# Altium PCB 无线遥控器_PCB.PcbDoc (continued)
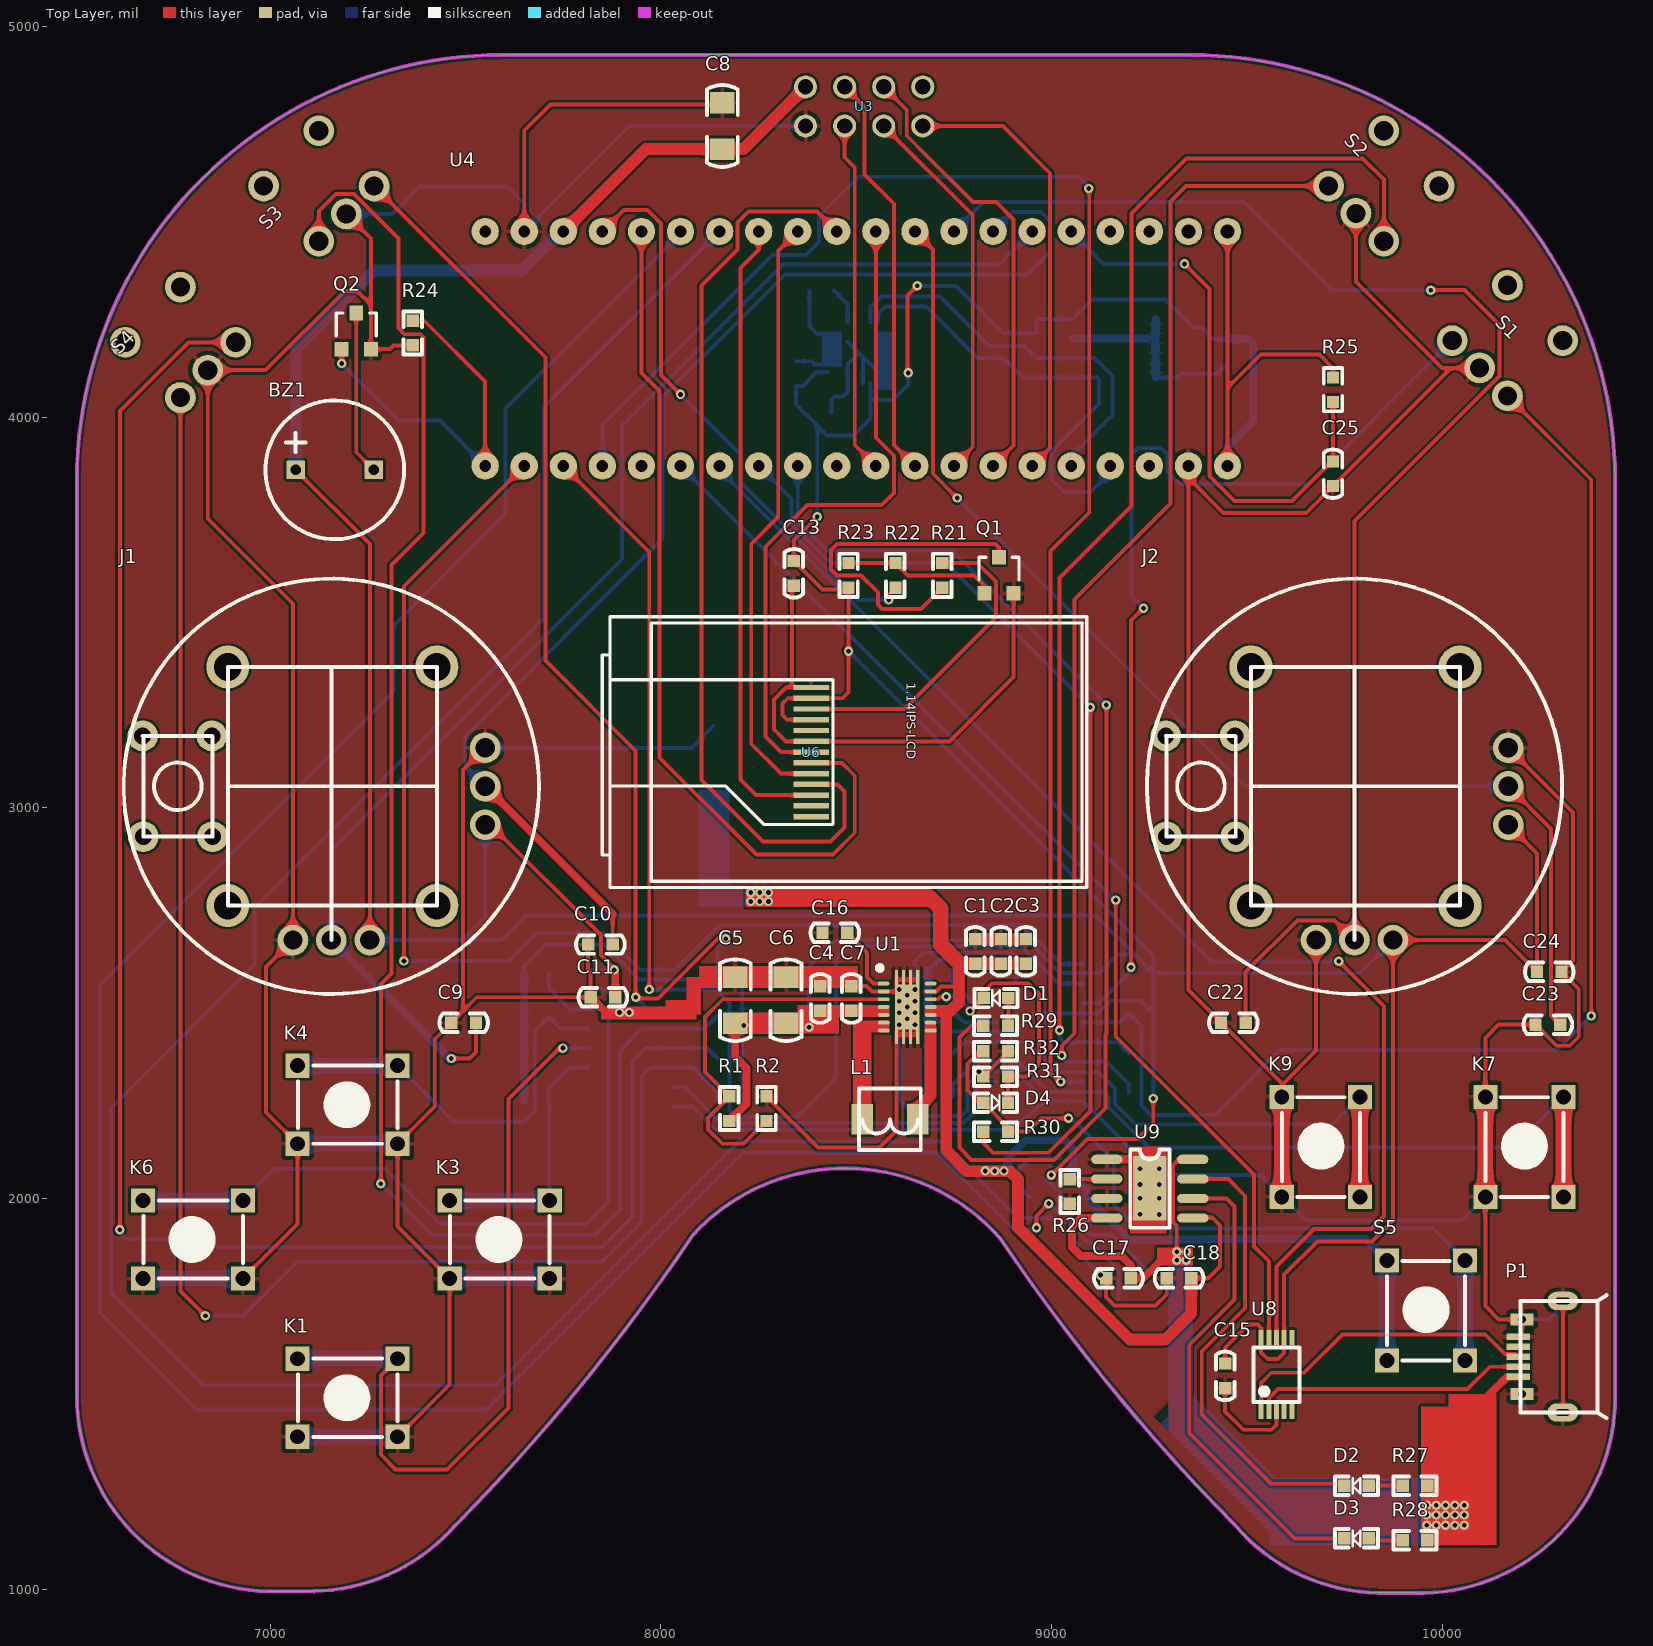
[diagram p0: Top Layer view]
## Footprints (in the part's own frame and the unit in brackets; to place one, negate y for a bottom-side part, rotate by r counter-clockwise, add the part's x,y. Pads: shape width x height; smd on the part's side, far side on the other; paste and mask are expansions set on the pad) (continued)
KEY_M [mil]
  rect 62x62 hole 38: 1(0,0) 1(255.91,0) 2(0,-200) 2(255.91,-200)
  silkscreen extent 0,-200 255,0, body extent -27,-220 277,17, height 157
LED_0603 [mm]
  rect 0.8x0.8 smd paste-0.1: A(-0.8,0) K(0.8,0)
  silkscreen extent -1.4,-0.6 1.4,0.6, body extent -0.8,-0.4 0.82,0.4, height 0.6
NRF24L01_connect [mm]
  round 1.5 hole 1: 1(-1.168,3.861) 2(1.372,3.861) 3(-1.168,1.321) 4(1.372,1.321) 5(-1.168,-1.219) 6(1.372,-1.219) 7(-1.168,-3.759) 8(1.372,-3.759)
  body extent -3.88,-7.14 25.12,7.86, height 3.8
Pad_B [mm]
  round 2 smd: 1(0,0)
SOP8 [mil]
  rect 61x24 smd: 1(0,0)
  oval 61x24 smd: 2(0,-50) 3(0,-100) 4(0,-150) 5(212.6,-150) 6(212.6,-100) 7(212.6,-50) 8(212.6,0)
  silkscreen extent 59,-175 153,25
SOP-8_PAD [mil]
  oval 80x24 smd: 1(-110,74) 2(-110,24) 3(-110,-26) 4(-110,-76) 5(110,-76) 6(110,-26) 7(110,24) 8(110,74)
  rrect10% 86.61x165.35 smd: 3(0,0)
  silkscreen extent -50,-101 50,99, body extent -118,-99 120,99, height 63
STM32_DIP [mil]
  round 70 hole 35: 1(600,-1900) 2(600,-1800)
  round 70 hole 30: 3(600,-1700) 4(600,-1600) 7(600,-1500) 10(600,-1400) 11(600,-1300) 12(600,-1200) 13(600,-1100) 14(600,-1000) 15(600,-900) 16(600,-800) 17(600,-700) 18(600,-600) 19(600,-500) 20(600,-400) 21(600,-300) 22(600,-200) 23(600,-100) 24(600,0) 25(0,0) 26(0,-100) 27(0,-200) 28(0,-300) 29(0,-400) 30(0,-500) 31(0,-600) 32(0,-700) 33(0,-800) 38(0,-900) 39(0,-1000) 40(0,-1100) 41(0,-1200) 42(0,-1300) 43(0,-1400) 45(0,-1500) 46(0,-1600) 47(0,-1700) 48(0,-1800) 49(0,-1900)
  body extent -157,-1994 733,92, height 450
TPS63020 [mil] "High Efficiency Single Inductor Buck-Boost Converter With 4-A Switches"
  oval 10x30 smd: 1(-60,-60) 2(-40,-60) 3(-20,-60) 4(0,-60) 5(20,-60) 6(40,-60) 7(60,-60) 8(60,60) 9(40,60) 10(20,60) 11(0,60) 12(-20,60) 13(-40,60) 14(-60,60)
  rect 50x7.87 smd: 15(-70,-27.17) 15(-70,-9.06) 15(-70,9.06) 15(-70,27.17) 15(70,-27.17) 15(70,-9.06) 15(70,9.06) 15(70,27.17)
  round 11.81 hole 11.81: 15(-45,20) 15(-45,-20) 15(-30,0) 15(-15,20) 15(-15,-20) 15(0,0) 15(15,20) 15(15,-20) 15(30,0) 15(45,20) 15(45,-20)
  rect 115x62.2 smd: 15(0,0)
  silkscreen extent -105,-75 -95,-65, body extent -85,-65 85,65, height 30
WSON-8 [mm]
  rect 0.5x0.25 smd: 1(0,1.5) 2(0,1) 3(0,0.5) 4(0,0) 5(1.9,0) 6(1.9,0.5) 7(1.9,1) 8(1.9,1.5)
  rect 0.9x1.6 smd mask+0.102: 9(0.95,0.75)
  silkscreen extent -0.64,-0.51 2.54,2.03
三极管_SOT-23 [mm]
  rect 0.9x0.95 smd: 1(-0.95,-1.175) 2(0,1.175) 3(0.95,-1.175)
  silkscreen extent -1.3,-0.3 1.3,1.18, body extent -1.45,-1.4 1.45,1.4, height 1.2
三段开关 [mm]
  round 2 hole 1.25: 0(-2.54,0) 1(-0.024,0) 2(2.54,0) ""(-2.54,5.08) ""(2.54,5.08)
串口_MSOP10 [mm]
  rect 0.32x1 smd: 1(0,0) 2(0.5,0) 3(1,0) 4(1.5,0) 5(2,0) 6(2,4.8) 7(1.5,4.8) 8(1,4.8) 9(0.5,4.8) 10(0,4.8)
  silkscreen extent -0.5,0.62 2.5,4.15
变压器电感_0420 [mm]
  rect 2x1.4 smd: 1(0,-1.8) 2(0,1.8)
  silkscreen extent -2,-2 2,2
"接插件_MICRO 牛角插座 USB 卷边" [mm]
  oval 1.2x2 hole 0.4 slot 1 at 90 deg: 0(-3.625,2.75) 0(3.625,2.75)
  rect 0.8x1.5 hole 0.5: 0(-2.425,0.1) 0(2.425,0.1)
  rect 0.4x1.5 smd: 1(1.3,-0.15) 2(0.65,-0.15) 3(0,-0.15) 4(-0.65,-0.15) 5(-1.3,-0.15)
  silkscreen extent -4,0 4,5.6, body extent -3.99,-0.18 3.99,5.25, height 2.73
摇杆2 [mm]
  round 2.8 hole 1.8: 0(-2.413,-9.398) 0(-2.413,6.102) 0(11.176,-9.398) 0(11.176,6.102)
  round 2 hole 1.25: 1(14.318,0.849) 2(14.318,-1.651) 3(14.318,-4.151) 4(6.818,-11.651) 5(4.318,-11.651) 6(1.818,-11.651)
  round 2 hole 1.1: J1(-7.95,1.626) J1(-7.904,-4.925) J2(-3.45,1.626) J2(-3.404,-4.925)
  silkscreen extent -9.18,-15.15 17.82,11.85, body extent -9.49,-15.07 18.16,12.03, height 30.58
电容_C0603 [mm]
  rect 0.8x0.8 smd: 1(-0.8,0) 2(0.8,0)
  silkscreen extent -1.58,-0.6 1.58,0.6, body extent -0.8,-0.4 0.8,0.4, height 0.3
电容_C1206 [mm]
  rect 1.4x1.6 smd: 1(-1.5,0) 2(1.5,0)
  silkscreen extent -2.66,-1 2.66,1, body extent -1.6,-0.8 1.6,0.8, height 1
电阻_R0603 [mm]
  rect 0.8x0.8 smd: 1(-0.8,0) 2(0.8,0)
  silkscreen extent -1.4,-0.6 1.4,0.6, body extent -0.8,-0.4 0.8,0.4, height 0.45
陀螺仪_QFN24 [mm]
  rect 2.6x2.6 smd: 0(0.005,0)
  rect 0.8x0.3 smd: 1(-2,1.25) 2(-2,0.75) 3(-2,0.25) 4(-2,-0.25) 5(-2,-0.75) 6(-2,-1.25) 13(2,-1.25) 14(2,-0.75) 15(2,-0.25) 16(2,0.25) 17(2,0.75) 18(2,1.25)
  rect 0.3x0.8 smd: 7(-1.25,-2) 8(-0.75,-2) 9(-0.25,-2) 10(0.25,-2) 11(0.75,-2) 12(1.25,-2) 19(1.25,2) 20(0.75,2) 21(0.25,2) 22(-0.25,2) 23(-0.75,2) 24(-1.25,2)
  silkscreen extent -2.33,-2.32 2.33,2.33, body extent -2,-2 2.01,2, height 0.9

## Part data
BAT GND M1 M2: library part Pad, _Comma=,, _Funcyusa=Test, _Name=Pad
  BAT: _Remarks=BAT, _Specification=Pad,Test,BAT
  GND: _Remarks=GND, _Specification=Pad,Test,GND
  M1: _Remarks=M1-OUT1, _Specification=Pad,Test,M1-OUT1
  M2: _Remarks=M1-OUT2, _Specification=Pad,Test,M1-OUT2
BZ1: library part BZ
C1 C2 C3 C4 C5 C6 C7 C8 C9 C10 C11 C12 C13 C14 C15 C16 C17 C18 C19 C20 C21 C22 C23 C24 C25 C26 C27: library part cap, U=50V, 参数=Cap,0805,X7R,104K,50V,125C,±10%
  C1 C2 C3 C4: C=106
  C5 C6: C=22uf
  C7 C9 C10 C12 C16 C20 C22 C23 C25 C26 C27: C=104
  C8 C14: C=22uF
  C11 C13 C15 C24: C=105
  C17 C18: C=10uf
  C19: C=1uF
  C21: C=2.2nF
D1 D4: library part Diode, "Default Diode", Code_JEDEC=DO-214-AB, LatestRevisionDate=17-Jul-2002, LatestRevisionNote="Re-released for DXP Platform.", PackageDescription="DO-214-AB/SMC; 2 C-Bend Leads; Body 7.9 x 5.9 mm, inc. leads (LxW)", PackageReference=SMC, PackageVersion=Sep-1996, Published=8-Jun-2000, Publisher="Altium Limited"
D2 D3: library part LED, 参数=LED,0603,Red
J1: library part 摇杆, "摇杆"
J2: library part 摇杆_1, "摇杆"
K1 K3 K4 K6 K7 K9: library part SW-PB, _Comma=,, _Model=SKRP, _Name=KEY, _Specification=KEY,SKRP,*
L1: library part "Inductor Iron 2", _Current=10A, _Accuracy=20%, _Comma=,, _Footprint=1040, _Name=IND, _Specification=IND,1040,1.5uH,10A,20%, _Value=1.5uH
P1: library part "MICRO USB 5PIN", _Value=5PIN, _Comma=,, _Model="MICRO USB", _Name=Port, _Specification="Port,MICRO USB,5PIN"
Q1: library part Triode-NPN, _Current=500mA, _Voltage=40V, _Comma=,, _Footprint=SOT-23, _Model=S8050, _Name=Triode, _Polarity=NPN, _Specification=Triode,NPN,S8050,SOT-23,500mA,40V
Q2: library part MOSFET-N, 参数=N-MOSFET,DFN5*6,AON6512,30V,150A
R1 R2 R3 R4 R5 R6 R7 R8 R9 R10 R11 R12 R13 R14 R15 R16 R17 R18 R19 R20 R24 R25 R26 R27 R28 R29 R30 R31 R32: library part Res, P=1/8W, 参数=Res,0805,0R,±1%,1/8W,100ppm,155C
  R1 R31: R=1M
  R2: R=180K
  R3 R4 R5 R6 R7 R8 R9 R10 R11 R12 R13 R14 R15 R16 R17 R18 R19 R20 R24 R25: R=10K
  R26 R27: R=2k
  R28: R=10k
  R29: R=4.7K
  R30 R32: R=20K
R21 R22 R23: library part Res, _Power=1/8W, _Accuracy=1%, _Comma=,, _Drift=100ppm, _Footprint=0805, _Name=Res
  R21: _Specification=Res,0805,10R,1%,1/8W,100ppm, _Value=10R
  R22: _Specification=Res,0805,1K,1%,1/8W,100ppm, _Value=1K
  R23: _Specification=Res,0805,20K,1%,1/8W,100ppm, _Value=20K
S5: "按键"
U4: library part STM32F401CCU6_1, "DIP", I/Os (High Current)=36, Manufacturer=STMicroelectronics, Operating Frequency(F) (Processor speed) (MHz)=84, PartNumber=STM32F401CCU6, Supplier Part Number 1=19X6217, Supply Voltage(Vcc) max (V)=3.6, Supply Voltage(Vcc) min (V)=1.8, ComponentLink1Description="Manufacturer URL", ComponentLink1URL=http://www.st.com/web/en/home.html, ComponentLink2Description=Datasheet, ComponentLink2URL=http://www.st.com/st-web-ui/static/active/en/resource/technical/document/data_brief/DM00071938.pdf, ComponentLink3Description="Package Specification", ComponentLink3URL=http://www.st.com/st-web-ui/static/active/en/resource/technical/document/data_brief/DM00071938.pdf, Core="ARM Cortex-M4", DatasheetVersion="Rev. 1", FLASH Size (Prog) (kB)=256, Internal RAM Size (kB)=64, Mounting Technology="Surface Mount", PackageDescription="48-Pin Ultra Thin Fine Pitch Quad Flat No-Lead, 7 x 7 x 0.6 mm Body, 0.5 mm Pitch, Exposed Pad", PackageReference=UFQFPN48, PackageVersion="Rev. 1, 04/2013", Packing=Tray, Supplier 1=Newark, Supplier 2=Mouser, Supplier Part Number 2=511-STM32F401CCU6
U5: "24CXX"
U6: library part IPS-LCD-1.14, "IPS-LCD-1.14寸裸屏spi接口"
U8: _Comma=,, _Footprint=MSOP10, _Model=CH340E, _Name=USB-UART, _Specification=USB-UART,CH340E,MSOP10
U9: 参数="Charge Control,LP4056,ESOP-8"

## Via types
v1: diameter 24, hole 12, Top Layer to Bottom Layer, tented both sides, 49 vias
v2: diameter 24, hole 12, Top Layer to Bottom Layer, 31 vias

## Nets (pads, with @x,y where several pads share a name; then routed paths per layer and width w, separated by ;. In a path a pad name is that pad's centre, name@x,y a point inside that pad or via, vN(x,y) a via of type N, cw(c..) or ccw(c..) an arc to the next point about the centre after c; other vN are vias at no path point)
3V3: BZ1.1 C4.1 C5.1 C6.1 C7.1 C8.2 C11.2 C12.2 C13.2 C14.2 C15.2 C19.2 C24.2 C27.2 J1.3 J1.4 J2.3 J2.4 R1.1 R3.2 R4.2 R5.1 R6.1 R7.1 R8.1 R9.1 R10.1 R11.1 R12.1 R13.1 R14.1 R15.1 R16.1 R17.1 R18.1 R19.1 R20.1 R23.1 R25.2 U1.4 U1.5 U2.16 U3.2 U4.1 U4.22 U4.49 U5.8 U6.10 U6.12 U7.16 U8.7 U8.10 U10.8 U10.13 U11.7 U11.8 | length 19609.2
  Top Layer w10: BZ1.1 7254.72,3675.28 J1.4 ; J1.3 7563.43,2956.57 7846,2674 7846,2622.49 7880,2588.49 v2(7880,2585) ; C5.1 C5.1@8199,2448.57 ; U6.10 8322.76,3225.24 8311,3237 8311,3267 8324.35,3280.35 U6.12 8464.35,3280.35 8480,3296 v2(8480,3401) 8480,3558.5 8412.99,3558.5 C13.2 8340,3685 v2(8400,3745) ; v1(8633,4113) 8631,4115 8631,4311 v1(8656,4336) ; v1(8999,2059.88) 9091.12,2152 9220,2152 9260,2192 v1(9260,2256) ; C15.2 9444,1618 9503,1677 9528,1677 9536,1669 U8.10 9536,1606 9553,1589 9579,1589 9595.06,1605.06 U8.7 9595.06,1805.06 9680,1890 9820,1890 9873.43,1943.43 J2.4 10160.71,2661.3 C24.2 10242.01,2883.27 J2.3 ; U4.49 9450,4075 ; U4.1 9450,4075 ; R25.2 9720,4125 9685,4160 9535,4160 9450,4075
  Top Layer w20: v2(7880,2585) 7882.99,2582.01 C11.2 ; R1.1 8219,2242.5 8219,2333.25 8190.25,2362 C5.1 ; C6.1 8330.57,2438 v2(8379,2438)
  Top Layer w30: U4.22 7815.94,4540.94 7960.94,4685.94 C8.2 8210.94,4685.94 U3.2
  Bottom Layer w10: J1.4 7491.3,2661.3 ; J1.3 7550,2720 7491.3,2661.3 ; R16.1 7650,2595 7705,2650 7728.5,2650 7854,2650 7944,2560 8078,2560 8086,2552 8180.71,2552 R17.1 R18.1 R19.1 R20.1 ; U7.16 v2(7880,2585) ; v2(8379,2438) 8379,2594 8446,2661 8938,2661 9022,2577 9122,2577 9169,2624 9212.74,2624 ; v2(8400,3745) 8400,3978 ; U10.13 8398,4115 8363.01,4080.01 C19.2 8346,4032 8400,3978 ; v2(8480,3401) 9260.31,2620.69 R9.1 ; U10.8 8536.27,4048 ; v1(8633,4113) 8633,4083 8594,4044 8540.27,4044 8536.27,4048 ; v1(8656,4336) 8755.5,4336 R3.2 R4.2 8961,4244 8968,4251 U5.8 9103,4301 9290,4301 9361.94,4229.06 C14.2 9382.94,4229.06 9412.5,4199.5 C12.2 9450,4202.5 U4.1 ; R7.1 8736.5,2427 8911,2427 8957,2473 9117,2473 9150,2506 9228.6,2506 R10.1 ; R8.1 8710.5,2612 8790.6,2612 8802.6,2600 8826,2600 U2.16 ; v1(8999,2059.88) C27.2 8987.76,2047.27 U11.8 U11.7 ; R12.1 R11.1 R10.1 ; J2.4 9788.55,2576.43 R9.1 ; 7491.3,2661.3 7591.3,2661.3 7654.7,2724.7 9112.04,2724.7 9212.74,2624 ; 8400,3978 8425,3953 8492.54,3953 8536.27,3996.73 8536.27,4048 ; 9212.74,2624 R9.1 ; R10.1 R9.1
  Bottom Layer w20: R13.1 R14.1 R15.1 R16.1 ; R5.1 R6.1 R7.1 R8.1 ; C12.2 9502.5,4199.5 9516,4186 9516,3989 9450,3923 U4.49
  Bottom Layer w30: BZ1.1 7065,4175 7265,4375 7473,4375 7643,4375 7743,4475 U4.22
  other v1: 8212,2443
BAT: BAT.1 C1.1 C2.1 C3.1 C18.2 C26.1 S5.1 U1.10 U1.11 U1.13 U9.5 U11.1 | length 3624.2
  Top Layer w10: U1.13@8677.37,2530 U1.13 8704,2530 8717,2543 8761,2543 8763,2545 ; C18.2 9401,1796 9431,1826 9431,1931 9411,1951 9362,1951 U9.5
  Top Layer w20: 8763,2603 8764.99,2601.01
  Top Layer w30: 8690,2480 8740.67,2480 8763,2502.33 8763,2545 8763,2603 ; 8730,2470 8730,2123 8783,2070 8893,2070 8914,2049 8914,1925.33 9200.33,1639 9290,1639 9357.5,1706.5 C18.2
  Top Layer w40: 8685.5,2772.5 8716,2742 8716,2650 8763,2603
  Bottom Layer w10: U11.1 U11.1@9096.25,1939.17
  Bottom Layer w20: 8887.8,2080.4 8887.8,2103.4 8933.55,2149.15 9033.45,2149.15 9054.27,2128.33 C26.1 9090.55,2023.45 9090.55,2011.45 9090.55,2003.75 9198.9,1895.4 9399.8,1895.4 9401,1896.6 9802.4,1896.6 S5.1@9858,1841
  Bottom Layer w30: v1(8830.18,2070.58) 8830.27,2070.5 v1(8854.04,2070.5) v1(8877.9,2070.5) 8887.8,2080.4
  Bottom Layer w40: S5.1@9858,1585.09 S5.1@9858,1841
  other v1: 8253,2760 8275,2760 8253,2783 8275,2783
  other v2: 8230,2760 8230,2783
BUZZ: Q2.1 R24.2 U4.25 | length 977.8
  Top Layer w10: v2(7182.6,4137) Q2.1 ; R24.2 7394.05,4246.5 7550,4090.54 U4.25
  Bottom Layer w10: v2(7182.6,4137) 7328.6,3991 7434,3991 U4.25
CPOUT: C21.1 U10.20 | length 95.2
  Bottom Layer w10: C21.1 8477.21,4289.78 U10.20
EN: R30.2 U4.32 | length 2533.5
  Top Layer w10: R30.2 8825.01,2141.99 8850,2117 8992,2117 9099,2224 v1(9099,3257)
  Bottom Layer w10: U4.32 8334,3791 8334,3726.37 8433.37,3627 8729,3627 v1(9099,3257)
GND: C1.2 C2.2 C3.2 C4.2 C5.2 C6.2 C7.2 C8.1 C9.1 C10.1 C11.1 C12.1 C13.1 C14.1 C15.1 C16.1 C17.1 C18.1 C19.1 C20.2 C21.2 C22.1 C23.1 C24.1 C25.1 C26.2 C27.1 GND.1 J1.1 J1.6 J2.1 J2.6 K1.1 K3.1 K4.1 K6.1 K7.1 K9.1 P1.0 P1.5 Q1.3 Q2.3 R2.2 R24.1 R26.1 R31.1 R32.2 S1.1 S2.1 S3.1 S4.1 U1.2 U1.15 U2.8 U2.15 U3.1 U4.23 U4.48 U5.1 U5.2 U5.3 U5.4 U5.7 U6.8 U6.13 U7.8 U7.15 U8.3 U9.1 U9.3 U10.0 U10.1 U10.2 U10.3 U10.4 U10.5 U10.6 U10.7 U10.9 U10.11 U10.14 U10.15 U10.16 U10.17 U10.18 U11.4 U11.9 | length 24798.7
  Top Layer w10: K6.1@6930,1795 7070,1935 7070,2140 6989.2,2220.8 6989.2,2592.63 J1.6 7057.87,3522.13 6840,3740 S4.1 6988,4120 7191,4323 7222.4,4323 7257.4,4288 ; S3.1 7257.4,4456.95 7257.4,4288 ; K1.1@7325.91,1390 7459.09,1523.19 7459.09,1795 7325.91,1928.19 7325.91,2140 7421,2235.09 7421,2407.5 C9.1 7493,2479.5 ; R24.1 7315.76,4183.5 7306,4173.74 Q2.3 7257.4,4288 ; J1.1 7493,3096.43 7493,2479.5 ; U4.23 7650,4733 7717,4800 7934.06,4800 8152.94,4800 C8.1 ; C10.1 7813.5,2585.5 7820,2579 C11.1 7528.5,2515 7493,2479.5 ; R2.2 8401.5,2130 8559,2130 8602.83,2173.83 U1.15@8602.83,2420 ; C13.1 8335,3563.5 8335,3307.91 ; U6.13 8335,3307.91 ; C7.2 8526.5,2543.5 8540,2530 U1.2 8602.83,2530 U1.15@8602.83,2535 ; U1.15@8630,2460 8630,2490 U1.15@8630,2520 ; U1.15@8650,2535 8650,2505 8650,2475 8650,2445 8650,2435.17 8657.17,2428 8657.17,2420 8639.06,2420 8620.94,2420 U1.15@8602.83,2420 ; U1.15@8657.17,2560 8639.06,2560 8620.94,2560 8602.83,2560 U1.15@8602.83,2535 ; R31.1 8888,2374.99 R32.2 ; Q1.3 8902.4,3334.4 8738.12,3170.12 U6.8 8320,3170.12 8289,3201.12 8289,3276.91 8320,3307.91 8335,3307.91 ; C17.1@9125,1796 C17.1 9139.5,1747.5 9161,1726 9266,1726 9294.5,1754.5 C18.1 ; U9.1 U9.1@9177,2100 ; U4.48 U4.48@9350,3844 ; C15.1 9444,1455 9491,1408 9563,1408 9575.37,1420.37 U8.3 ; K9.1@9589,2260 9589,2293.5 ; J2.6 9676.57,2378.57 9591.5,2293.5 9589,2293.5 ; S2.1 9778.61,4346.39 9999.32,4125.68 10022.18,4125.68 ; S1.1 10022.18,4125.68 ; K7.1@10110,2004.09 10110,1724.47 10144,1690.47 10203.94,1690.47 10203.94,1656.03 P1.5 ; K7.1@10110,2260 10110,2411 10144,2445 C23.1 10292.5,2391 10326,2391 10349,2414 10349,2536 C24.1 10334,2609 10334,2988.13 J2.1 ; P1.0@10308.27,1452.28 10309,1452.28 10309,1737.72 P1.0@10308.27,1737.72 ; U1.15@8602.83,2420 8602.83,2428 8610,2435.17 8610,2445 8610,2475 8610,2505 8610,2535 U1.15@8602.83,2535 ; U4.48@9350,3844 9439,3755 9651.5,3755 C25.1 10022.18,4125.68 ; U4.48@9350,3844 9350,2533.5 C22.1 9589.5,2294 9589,2293.5
  Top Layer w20: C11.1 7861,2474 7861,2471
  Top Layer w40: K9.1@9589,2004.09 K9.1@9589,2260 ; K7.1@10110,2004.09 K7.1@10110,2260
  Bottom Layer w10: S3.1 7313.03,4520.03 7383,4590 7606,4590 7650,4546 U4.23 7920,4745 U3.1 ; J1.1 8078.43,3153.43 GND.1 ; U7.15 7858,2535 7917,2476 v2(7919,2476) ; U7.8 8080,2235 8139,2176 8896,2176 8984,2250 ; C19.1 8386,4143 8394.32,4134.69 U10.14 U10.15 U10.16 U10.17 U10.18 8398.58,4213.43 8380,4232 C21.2 ; C20.2 8436.5,4044.5 8445,4053 8466,4053 8477.21,4064.21 U10.11 8477.21,4134.86 U10.0 ; U10.0@8477.02,4193.74 U10.0 ; U10.9 U10.0@8516.58,4154.18 ; U10.7 8555.95,4114.81 U10.0@8516.58,4154.18 ; U10.6 U10.5 U10.4 U10.3 U10.2 U10.1 ; U1.15@8610,2445 8610,2252 8651,2211 8769.37,2211 8784,2225.63 8784,2291 8814,2321 v1(8814,2325) 8909,2325 8911,2323 8984,2250 ; U1.15@8610,2535 8625,2520 U1.15@8630,2520 ; U1.15@8650,2535 8650,2608 8671,2629 8898,2629 8911,2616 8911,2560 8901,2550 U2.15 ; C27.1 8916,2031.32 8916,2075 8944,2103 C26.2@9023,2103 ; U11.9 9046.97,1944.35 9046.97,1904.54 U11.4 9068,1883.51 9068,1861 v1(9125,1804) ; U5.4 9319,4101 9328.94,4110.94 C14.1 9421.44,4110.94 C12.1 ; K7.1@10110,2004.09 10049.51,1943.6 9652.4,1943.6 9536,2060 9270,2060 U2.8 8984,2250 ; P1.0@10203.94,1499.53 10203.94,1472 10223.65,1452.28 P1.0@10308.27,1452.28 ; P1.0@10203.94,1690.47 10272,1690.47 10293,1711.47 10293,1737.72 P1.0@10308.27,1737.72 ; U10.0 U10.0@8516.58,4154.18
  Bottom Layer w20: U5.7 U5.2 ; U5.4 U5.3 U5.2 ; U5.1 U5.2
  Bottom Layer w40: K6.1@6674.09,1795 K6.1@6930,1795 ; K1.1@7070,1390 K1.1@7325.91,1390 ; K4.1@7070,2140 K4.1@7325.91,2140 ; K3.1@7459.09,1795 K3.1@7715,1795
  other v1: 9275,1959 9226,1960 9226,2001 9275,2001 9226,2036 9275,2036 9226,2076 9275,2076 7894,2476
HC1_D0: K7.2 R5.2 U2.11 | length 2034.4
  Top Layer w40: K7.2@10310,2004.09 K7.2@10310,2260
  Bottom Layer w10: R5.2 8746.5,2290.42 8806.07,2350 U2.11 8915,2350 8992,2273 9131,2273 9146,2258 9146,2232.57 9248.57,2130 10180,2130 K7.2@10310,2260
HC1_D1: K9.2 R6.2 U2.12 | length 1449.7
  Top Layer w40: K9.2@9789,2004.09 K9.2@9789,2260
  Bottom Layer w10: R6.2 8776.5,2400 U2.12 8938,2400 9015,2323 9120,2323 9162,2281 9162,2242 9214,2190 9719,2190 K9.2@9789,2260
HC1_D2: R7.2 U2.13 | length 125.9
  Bottom Layer w10: R7.2 8776.5,2450 U2.13
HC1_D3: R8.2 U2.14 | length 167.2
  Bottom Layer w10: R8.2 8746.5,2553.5 8797,2503 8857,2503 U2.14
HC1_D4: R9.2 S1.0 U2.3 | length 2548.8
  Top Layer w10: v2(9203,2592) 9203,3479 v2(9235,3511)
  Bottom Layer w10: U2.3 9120.89,2500 R9.2 9203,2582.11 v2(9203,2592) ; v2(9235,3511) 9204,3542 9204,3904 9221,3921 9280,3921 9296,3905 9296,3861 9328,3829 9658.26,3829 S1.0
HC1_D5: R10.2 S1.2 U2.4 | length 3319.1
  Top Layer w10: S1.2 10381,3839.68 v2(10381,2467)
  Bottom Layer w10: U2.4 9173.03,2450 R10.2 9230,2441.6 9230,2238 9254,2214 9417,2214 9583,2380 10294,2380 v2(10381,2467)
HC1_D6: R11.2 S2.2 U2.5 | length 3263.8
  Top Layer w10: v2(9020,2431) 9020,3588 9204,3772 9204,4521 9345,4662 9796,4662 9850,4608 S2.2
  Bottom Layer w10: v2(9020,2431) 9020,2412 9032,2400 U2.5 9169.46,2400 R11.2
HC1_D7: R12.2 S2.0 U2.6 | length 2949.8
  Top Layer w10: v2(9026,2366) 9026,2391 9058,2423 9058,3533 9304,3779 9304,4551.42 9344,4591.42 S2.0
  Bottom Layer w10: v2(9026,2366) 9026,2360 9036,2350 U2.6 9140.4,2350 9197.32,2293.08 R12.2
HC2_D0: K3.2 R13.2 U7.11 | length 668.9
  Bottom Layer w10: K3.2@7715,1995 7714,1996 7714,2121 7714,2247.5 7711.5,2250 7711.5,2280.5 7766,2335 U7.11
  Bottom Layer w40: K3.2@7459.09,1995 K3.2@7715,1995
HC2_D1: K1.2 R14.2 U7.12 | length 2056.6
  Top Layer w10: K1.2@7325.91,1590 7283,1547.09 7283,1344 7321,1306 7452,1306 7610,1464 7610,2255 7740,2385 v2(7749,2385)
  Bottom Layer w10: R14.2@7711.5,2355 7741.5,2385 U7.12@7778,2385 ; v2(7749,2385) U7.12@7778,2385 ; U7.12 U7.12@7778,2385
  Bottom Layer w40: K1.2@7070,1590 K1.2@7325.91,1590
HC2_D2: K4.2 R15.2 U7.13 | length 1047.8
  Bottom Layer w10: K4.2@7325.91,2340 7468.91,2197 7650,2197 7677,2224 7677,2429.01 R15.2 7742.99,2435 U7.13
  Bottom Layer w40: K4.2@7070,2340 K4.2@7325.91,2340
HC2_D3: K6.2 R16.2 U7.14 | length 2004.6
  Bottom Layer w10: K6.2@6930,1995 7010,2075 7295,2075 7435,1935 7807,1935 7866,1994 7866,2475 7856,2485 U7.14 7766,2485 7712.99,2538.01 R16.2
  Bottom Layer w40: K6.2@6674.09,1995 K6.2@6930,1995
HC2_D4: R17.2 S3.2 U7.3 | length 2851.9
  Top Layer w10: S3.2 7704,4153.13 7704,3377 7935,3146 v2(7935,2515) ; v2@7938,2512 7993,2512 8146,2665 v2(8166,2665)
  Bottom Layer w10: v2(7935,2515) 7965,2485 U7.3 ; R17.2 8145,2644 v2(8166,2665)
HC2_D5: R18.2 S3.0 U7.4 | length 4248.7
  Top Layer w10: S3.0 7124.29,4527.29 7168,4571 7214.59,4571 7328,4457.59 7328,4228 7344,4212 7384,4212 7392,4204 7392,3703 7310,3621 7310,2576 7283,2549 v2(7283,2038)
  Bottom Layer w10: v2(7283,2038) 7414,1907 7832.1,1907 7894.9,1969.8 7894.9,2377.9 7952,2435 U7.4 8111.43,2435 R18.2
HC2_D6: R19.2 S4.2 U7.5 | length 4472.2
  Top Layer w10: v2(6615,1920) 6615,4016 6790.39,4191.39 S4.2
  Bottom Layer w10: v2(6615,1920) 6615,1912 6631,1896 6841,1896 6861,1876 7849,1876 7926.7,1953.7 7926.7,2350.1 7961.6,2385 U7.5 8117.86,2385 R19.2
HC2_D7: R20.2 S4.0 U7.6 | length 4220.7
  Top Layer w10: 6769.97,3998.03 S4.0 ; 6770,3998 6770,1763 6833,1700 v1(6834,1700)
  Bottom Layer w10: v1(6834,1700) 6931,1700 7069,1838 7848,1838 7950.7,1940.7 7950.7,2313 7972.7,2335 U7.6 8083,2335 8145,2273 R20.2
HC2_Q7: U2.10 U7.7 | length 942
  Bottom Layer w10: U7.7 8063,2285 8108.09,2239.91 8108.09,2236.91 8152,2193 8263.15,2193 8774,2193 8808,2227 8808,2283 8825,2300 U2.10
HC_CP: U2.2 U4.27 U7.2 | length 3235.9
  Top Layer w10: U4.27 7970,3655 v2(7970,2535)
  Bottom Layer w10: v2(7970,2535) U7.2 8141,2535 8175,2501 8175,2225 8191,2209 8348,2209 8448,2309 8448,2613 8480,2645 8922,2645 9017,2550 U2.2
HC_PL: U2.1 U4.26 U7.1 | length 3290.4
  Top Layer w10: v2(7342,2608) 7342,3567 U4.26
  Bottom Layer w10: v2(7342,2608) 7610,2608 7681.5,2679.5 7852.5,2679.5 7947,2585 U7.1 8150,2700 8924,2700 9024,2600 U2.1
HC_Q7: U2.7 U4.28 | length 4065.6
  Top Layer w10: v2(9023,2299) 9018,2299 8997,2320 8997,3657 9096,3756 9096,4584 v2(9095,4585)
  Bottom Layer w10: U4.28 7850,3980 8285,4415 8371,4415 8404,4448 8404,4514 8505,4615 9070,4615 9095,4590 v2(9095,4585) ; v2(9023,2299) 9079,2299 U2.7
JSL-X: C9.2 J1.5 U4.10 | length 3458.3
  Top Layer w10: v2(7462.8,2358.4) 7510.2,2358.4 7526.5,2374.7 C9.2
  Bottom Layer w10: J1.5 7156.3,2892.3 7900,3636 7900,3978 8312,4390 8865,4390 U4.10 ; v2@7459.2,2358.4 v2(7462.8,2358.4)
  Bottom Layer w20: J1.5 v2@7459.2,2358.4
JSL-Y: C10.2 J1.2 U4.11 | length 3167.3
  Top Layer w10: C10.2 7876.5,2728.5
  Top Layer w20: J1.2 7876.5,2728.5
  Bottom Layer w10: J1.2 7499,3106 7499,3184 8004,3689 8004,4051 8318,4365 8938,4365 8996,4423 8996,4501 8972,4525 8900,4525 U4.11
JSR-X: C22.2 J2.5 U4.12 | length 3769.4
  Top Layer w10: C22.2 9496.5,2579.5 9629,2712 9724.3,2712 J2.5 9775,3734.14 10146,4105.14 10146,4236 10057,4325 v2(9970,4325)
  Bottom Layer w10: U4.12 8825,4550 9491,4550 9716,4325 v2(9970,4325)
JSR-Y: C23.2 J2.2 U4.13 | length 3108.1
  Top Layer w10: U4.13 8696,4429 8696,3855 v2(8758,3793) ; J2.2 10278,2945.7 10278,2468.5 C23.2
  Bottom Layer w10: v2(8758,3793) 9496,3055 J2.2
LCD-BLK: R22.1 U4.21 | length 1475.6
  Top Layer w10: U4.21 7905,4530 7965,4530 8000,4495 8000,4108 v2(8050,4058) ; v2(8583,3532) 8583,3546.5 R22.1
  Bottom Layer w10: v2(8050,4058) 8204,3904 8204,3833.75 8505.75,3532 v2(8583,3532)
LCD-CS: U4.14 U6.7 | length 1692.6
  Top Layer w10: U6.7 8307.44,3142.56 8268,3182 8268,3668 8375,3775 8565,3775 8596,3806 8596,3901 8550,3947 U4.14
LCD-DC: U4.16 U6.5 | length 1546.5
  Top Layer w10: U4.16 8300,4425 8300,3744 8231,3675 8231,3163.12 8306.68,3087.44 U6.5
LCD-RST: U4.20 U6.6 | length 2262.6
  Top Layer w10: U4.20 7950,4113 7996,4067 7996,3128 8244,2880 8440,2880 8496,2936 8496,3082 8463,3115 U6.6
LCD-SCL: U4.15 U6.4 | length 2382.2
  Top Layer w10: U6.4 8452.12,3059.88 8470,3042 8470,2950 8434,2914 8261,2914 8104,3071 8104,4337 8196,4429 8196,4498 8224,4526 8399,4526 U4.15
LCD-SDA: U4.17 U6.3 | length 1619.5
  Top Layer w10: U4.17 8250,4427.94 8204,4381.94 8204,3072 8243.68,3032.32 U6.3
LCD_LEDK: R21.2 U6.11 | length 817.7
  Top Layer w10: U6.11 8622.8,3252.8 8857,3487 8857,3579 8809.5,3626.5 R21.2
M1-IN1: U4.19 U11.6 | length 6341.7
  Top Layer w10: v1(8961,1925) 8961,1955.65 v1(8992.35,1987)
  Bottom Layer w10: U4.19 8050,4470 7602,4022 7602,3753 7316,3467 7316,3298 6564,2546 6564,1708 6812,1460 7552,1460 8210,2118 8706,2118 8902,1922 v1@8959,1922 ; v1(8992.35,1987) U11.6
M1-IN2: U4.18 U11.5 | length 6208.8
  Bottom Layer w10: U4.18 7701,4026 7701,3486 6960,2745 6960,2599 6592,2231 6592,1759 6829,1522 7576,1522 8200,2146 8718,2146 8914.09,1949.91 U11.5
MCU-RX: U4.31 U8.8 | length 3326
  Top Layer w10: U8.8 9575.37,1826.37 9671,1922 9817,1922 9850,1955 9850,2492 v2(9735,2607)
  Bottom Layer w10: U4.31 8150,3865.12 9408.12,2607 v2(9735,2607)
MCU-SCL: R4.1 U4.45 U5.6 U10.23 | length 1027.9
  Bottom Layer w10: U10.23 8536.27,4281.27 8564,4309 8714,4309 8841,4182 8930.5,4182 R4.1 8961.5,4151 U5.6 9110,4151 9156,4105 9156,4005 9050,3899 U4.45
MCU-SDA: R3.1 U4.46 U5.5 U10.24 | length 1175.3
  Bottom Layer w10: U10.24 8555.95,4264.95 8574,4283 8679,4283 8810.5,4151.5 R3.1 ; R3.1@8877,4142.5 8885.5,4142.5 8927,4101 U5.5 9116,4101 9121,4096 9121,4033 9000,3912 9000,3840 9032,3808 9100,3808 9150,3858 U4.46
MCU-TX: U4.30 U8.9 | length 2856.5
  Top Layer w10: v2(9164,2764) 9164,2415 9518,2061 9518,1877 9555.69,1839.31 U8.9
  Bottom Layer w10: U4.30 9161,2764 v2(9164,2764)
NetBZ1_2: BZ1.2 Q2.2 | length 419.9
  Top Layer w10: Q2.2 7220,3910 BZ1.2
NetC16_2: C16.2 U1.1 | length 184
  Top Layer w10: C16.2 8527,2629.5 8527,2567 8544,2550 U1.1
NetD1_A: D1.A R29.1 | length 77.2
  Top Layer w10: R29.1@8881,2442 8889,2450 8889,2506 D1.A@8882,2513
NetD1_K: D1.K D4.K R31.2 U1.12 | length 694.3
  Top Layer w10: U1.12 8709,2510 8715,2516 v1(8730,2516) ; v1(8791,2480) 8793.01,2480 D1.K ; D1.K@8816.01,2510 8819.01,2513 8819.01,2523.01 8847,2551 8940,2551 8968,2523 8968,2344 8936,2312 R31.2 D4.K
  Bottom Layer w10: v1(8730,2516) 8757.55,2516 8791,2482.55 v1(8791,2480)
NetD2_A: D2.A R27.1 | length 87
  Top Layer w10: D2.A R27.1
NetD2_K: D2.K U9.7 | length 1197.7
  Top Layer w10: U9.7 9452,2050 9495,2007 9495,1719 9384,1608 9384,1447 9561,1270 9743.5,1270 D2.K
NetD3_A: D3.A R28.1 | length 89.1
  Top Layer w10: D3.A 9816.5,1125 R28.1
NetD3_K: D3.K U9.6 | length 1251.1
  Top Layer w10: U9.6 9447,2000 9468,1979 9468,1741 9352,1625 9352,1400 9622,1130 D3.K
NetD4_A: D4.A R30.1 R32.1 S5.2 | length 1933.6
  Top Layer w10: R32.1 8817,2377 8784,2344 8784,2277 8816,2245 D4.A 8888,2182.01 R30.1 8939,2171 8973,2205 v1(9043,2205)
  Bottom Layer w10: v1(9043,2205) 9051.63,2205 9159,2097.63 9159,1983.5 9219.7,1922.8 9402.2,1922.8 9976.2,1922.8 S5.2@10058,1841
  Bottom Layer w40: S5.2@10058,1585.09 S5.2@10058,1841
NetL1_1: L1.1 U1.8 U1.9 | length 224.5
  Top Layer w30: L1.1@8655,2229 8690,2264 U1.8 8690,2439
NetL1_2: L1.2 U1.6 U1.7 | length 20
  Top Layer w10: U1.7 U1.6
NetM1_1: M1.1 U11.2 | length 206.4
  Bottom Layer w10: U11.2 9100.19,1907 9154.15,1907 M1.1
NetM2_1: M2.1 U11.3 | length 214.8
  Bottom Layer w10: U11.3 9089.35,1890 9097.97,1890 9170.55,1817.42 M2.1
NetQ1_1: Q1.1 R22.2 R23.2 | length 393.2
  Top Layer w10: R23.2@8480,3621.5 8485,3626.5 R22.2 8631.5,3595 8800.6,3595 8827.6,3568 Q1.1
NetQ1_2: Q1.2 R21.1 | length 882.7
  Top Layer w10: R21.1 8665.5,3509 8565.99,3509 8554.99,3520 8554.99,3551.76 8511.75,3595 8450,3595 8435,3610 8435,3660 8450,3675 8856,3675 8865,3666 Q1.2
NetR1_2: R1.2 R2.1 U1.3 | length 1001.7
  Top Layer w10: R2.1 8211.5,2140 8157,2140 8120,2177 8120,2206.5 R1.2 8113,2323.5 8113,2465 8158,2510 8533,2510 U1.3
NetR26_2: R26.2 U9.2 | length 96.9
  Top Layer w10: R26.2 9136.5,2049.5 9138.5,2047.5 U9.2
NRF_CE: U3.3 U4.39 | length 903.1
  Top Layer w10: U3.3 8470,4665 8496,4639 8496,3929 U4.39
NRF_CSN: U3.4 U4.40 | length 1044.6
  Top Layer w10: U3.4 8521,4794 8521,4621 8596,4546 8596,3929 U4.40
NRF_MISO: U3.7 U4.43 | length 1144.2
  Top Layer w10: U3.7 8875,4745 8996,4624 8996,3921 U4.43
NRF_MOSI: U3.6 U4.42 | length 1163.6
  Top Layer w10: U3.6 8629,4786 8629,4720 8679,4670 8799,4550 8858,4550 8902,4506 8902,4461.95 8902,3927 U4.42
NRF_SCK: U3.5 U4.41 | length 984.3
  Top Layer w10: U3.5 8798,4517 8798,3923 U4.41
Power_ON: R29.2 U4.33 | length 2949.5
  Top Layer w10: R29.2@8818.01,2442 8794,2442 8764,2412 8764,2130 8795,2099 9006,2099 9138,2231 9138,2420.37 9140,2422.37 v2(9140,3263)
  Bottom Layer w10: U4.33 8350,3733 8425,3658 8745,3658 v2(9140,3263)
REGOUT: C20.1 U10.10 | length 73.5
  Bottom Layer w10: C20.1@8496.9,4012 U10.10
RST: C25.2 R25.1 U4.7 | length 1430.4
  Top Layer w10: v2(9340,4392) 9404,4328 9404,3849 9468,3785 9615,3785 9716.5,3886.5 C25.2 R25.1
  Bottom Layer w10: U4.7 9133,4392 v2(9340,4392)
UD+: P1.3 U8.1 | length 806.1
  Top Layer w10: U8.1 9536,1528 9562,1554 9646,1554 9744,1652 10109.73,1652 10160.01,1601.72 10187.38,1601.72 P1.3
UD-: P1.2 U8.2 | length 705.5
  Top Layer w10: U8.2 9555.69,1488.69 9579,1512 10064,1512 10121.41,1569.41 P1.2
USB_VCC: C17.2 P1.1 R27.2 R28.2 U9.4 U9.8 | length 1036.1
  Top Layer w10: v1(9320,1864) 9320,1927.47 9318,1929.47 9319,1930.47 9310,1939.47 9310,2085 9325,2100 U9.8
  Top Layer w20: U9.4 9074,1950 9052,1928 9052,1875 9074,1853 9179,1853 9202.5,1829.5 C17.2 9234,1796 9280,1842 ; R27.2 10028,1265 ; 10118,1496 10165.82,1543.82 P1.1
  Top Layer w30: R28.2 v1@9961.5,1164 ; v1@9961.5,1215 R27.2
  Bottom Layer w20: v1(9960,1164) 9960,1191 v1(9960,1215)
  other v1: 9984,1164 10008,1164 10032,1164 10056,1164 9959.5,1190 9984,1190 10008,1190 10032,1190 10056,1190 9984,1215 10008,1215 10032,1215 10056,1215 9320,1842 9344,1842 9344,1864
pads on no net: J1.0 J1.J1 J1.J2 J2.0 J2.J1 J2.J2 P1.4 S1. S2. S3. S4. U1.14 U2.9 U3.8 U4.2 U4.3 U4.4 U4.24 U4.29 U4.38 U4.47 U6.1 U6.2 U6.9 U7.9 U7.10 U8.4 U8.5 U8.6 U10.12 U10.19 U10.21 U10.22

## Polygon pours and split planes (outlines as drawn)
GND on Top Layer "TOPGND" (solid, remove dead copper, pour order 16): 6086.8,916 6157.7,986.9 10771.1,986.9 10771.1,4733.6 10485.5,5019.2 6220.8,5019.2 6220.8,1012.5 6209,1000.7
GND on Bottom Layer "Bottom_GND" (solid, remove dead copper, pour order 18): 6413.1,4990.6 6470.7,5048.2 10562.7,5048.2 10562.7,1160.6 10311.1,909 6297.8,909 6297.8,4930.3 6428.8,5061.3

## Keep-outs
Keep-Out Layer:
  lines w10: 6505.02,3843.97 cw(c7594.4,3837.62) 7593.05,4927.02 9353.99,4927.01 cw(c9352.65,3837.61) 10442.04,3839 ; 6505,3843.98 6505,1495 ccw(c7005.44,1495) 7017.55,994.7 ; 7017.5,994.69 7112.22,994.23 ; 7112,995 ccw(c7101.47,1489.94) 7475.61,1165.76 ; 7474.99,1164.99 ccw(c3788.2,4799.77) 8081.71,1906.71 ; 8081.74,1906.73 cw(c8471.05,1547.71) 8866.9,1899.5 ; 8867.07,1899.47 ccw(c13158.2,4796.06) 9471.41,1161.28 ccw(c9845.54,1485.47) 9835.01,990.53 9928.92,990.53 ; 9929.46,990 ccw(c9941.56,1490.3) 10442.01,1490.3 ; 10442.01,1490.01 10442.01,3838.99

## Other copper
Top Layer:
  rectangle net GND: 9200.1,1910.6 9294.1,2133.3
  rectangle net GND: 9111,2089.9 9231,2110.8
  rectangle net BAT: 8749.6,2584.5 8948.1,2616.3
  rectangle net GND: 8788.4,2648 8950.2,2679.8
  rectangle net USB_VCC: 9269,1828 9362,1875
  rectangle net USB_VCC: 10015,1113 10139,1499
  rectangle net USB_VCC: 9945,1283 10083,1468
  rectangle net USB_VCC: 9945,1113 10083,1283
  rectangle net BAT: 8216,2746 8685,2792
  rectangle net 3V3: 8212,2421 8336,2476
  rectangle net GND: 7846,2458 8025,2491
  rectangle net GND: 8012,2457.8 8090.6,2508
  rectangle net GND: 8065,2471 8102,2567
  rectangle net GND: 8097,2539 8504,2595
  rectangle net 3V3: 8350,2422 8455,2476
  rectangle net 3V3: 8350,2476 8392,2495
  rectangle net 3V3: 8392,2465 8585,2495
  rectangle net NetL1_2: 8492,2169 8539,2455
  rectangle net NetL1_2: 8537,2425 8585,2455
  pour cut-out: 9298,1479 9298,1405 9261,1442
Bottom Layer:
  rectangle net GND: 8550,4069.8 8601.1,4120.3
  rectangle net GND: 8546.9,4113.05 8569.6,4219.1
  rectangle net GND: 8444.3,4127.8 8463.8,4219.05
  rectangle net GND: 8569.6,4109.2 8601.1,4219.1
  rectangle net GND: 8412.28,4129.2 8444.3,4219.05
  region net BAT: 9099.55,1929.25 9138.75,1968.45 9125.7,1981.5 9086.5,1942.3
  rectangle net USB_VCC: 9298,1443 9362,1875
  region net USB_VCC: 9553,1150 9630.78,1227.78 9355.78,1502.78 9278,1425
  rectangle net USB_VCC: 9556,1112 10083,1284
  rectangle net BAT: 8175,2746 8290,2796
  rectangle net BAT: 8096,2746 8175,3047

## Text inside footprints (layer, text, board x,y; h text height)
U6: Top Overlay "1.14IPS-LCD" at 8621.22,3319.72 h40 r270